# Altium PCB PCB1.PcbDoc (part 3 of 4)
Units mm, origin at the board's own origin, x right, y up, seen from the top; angles counter-clockwise.
Board outline 330.2 x 176.28 mm, 2 copper layers (Top Layer, Bottom Layer); 535 components, 753 nets, 2972 pads, 0 vias.
Unrouted connection lines stored in the file: 384.
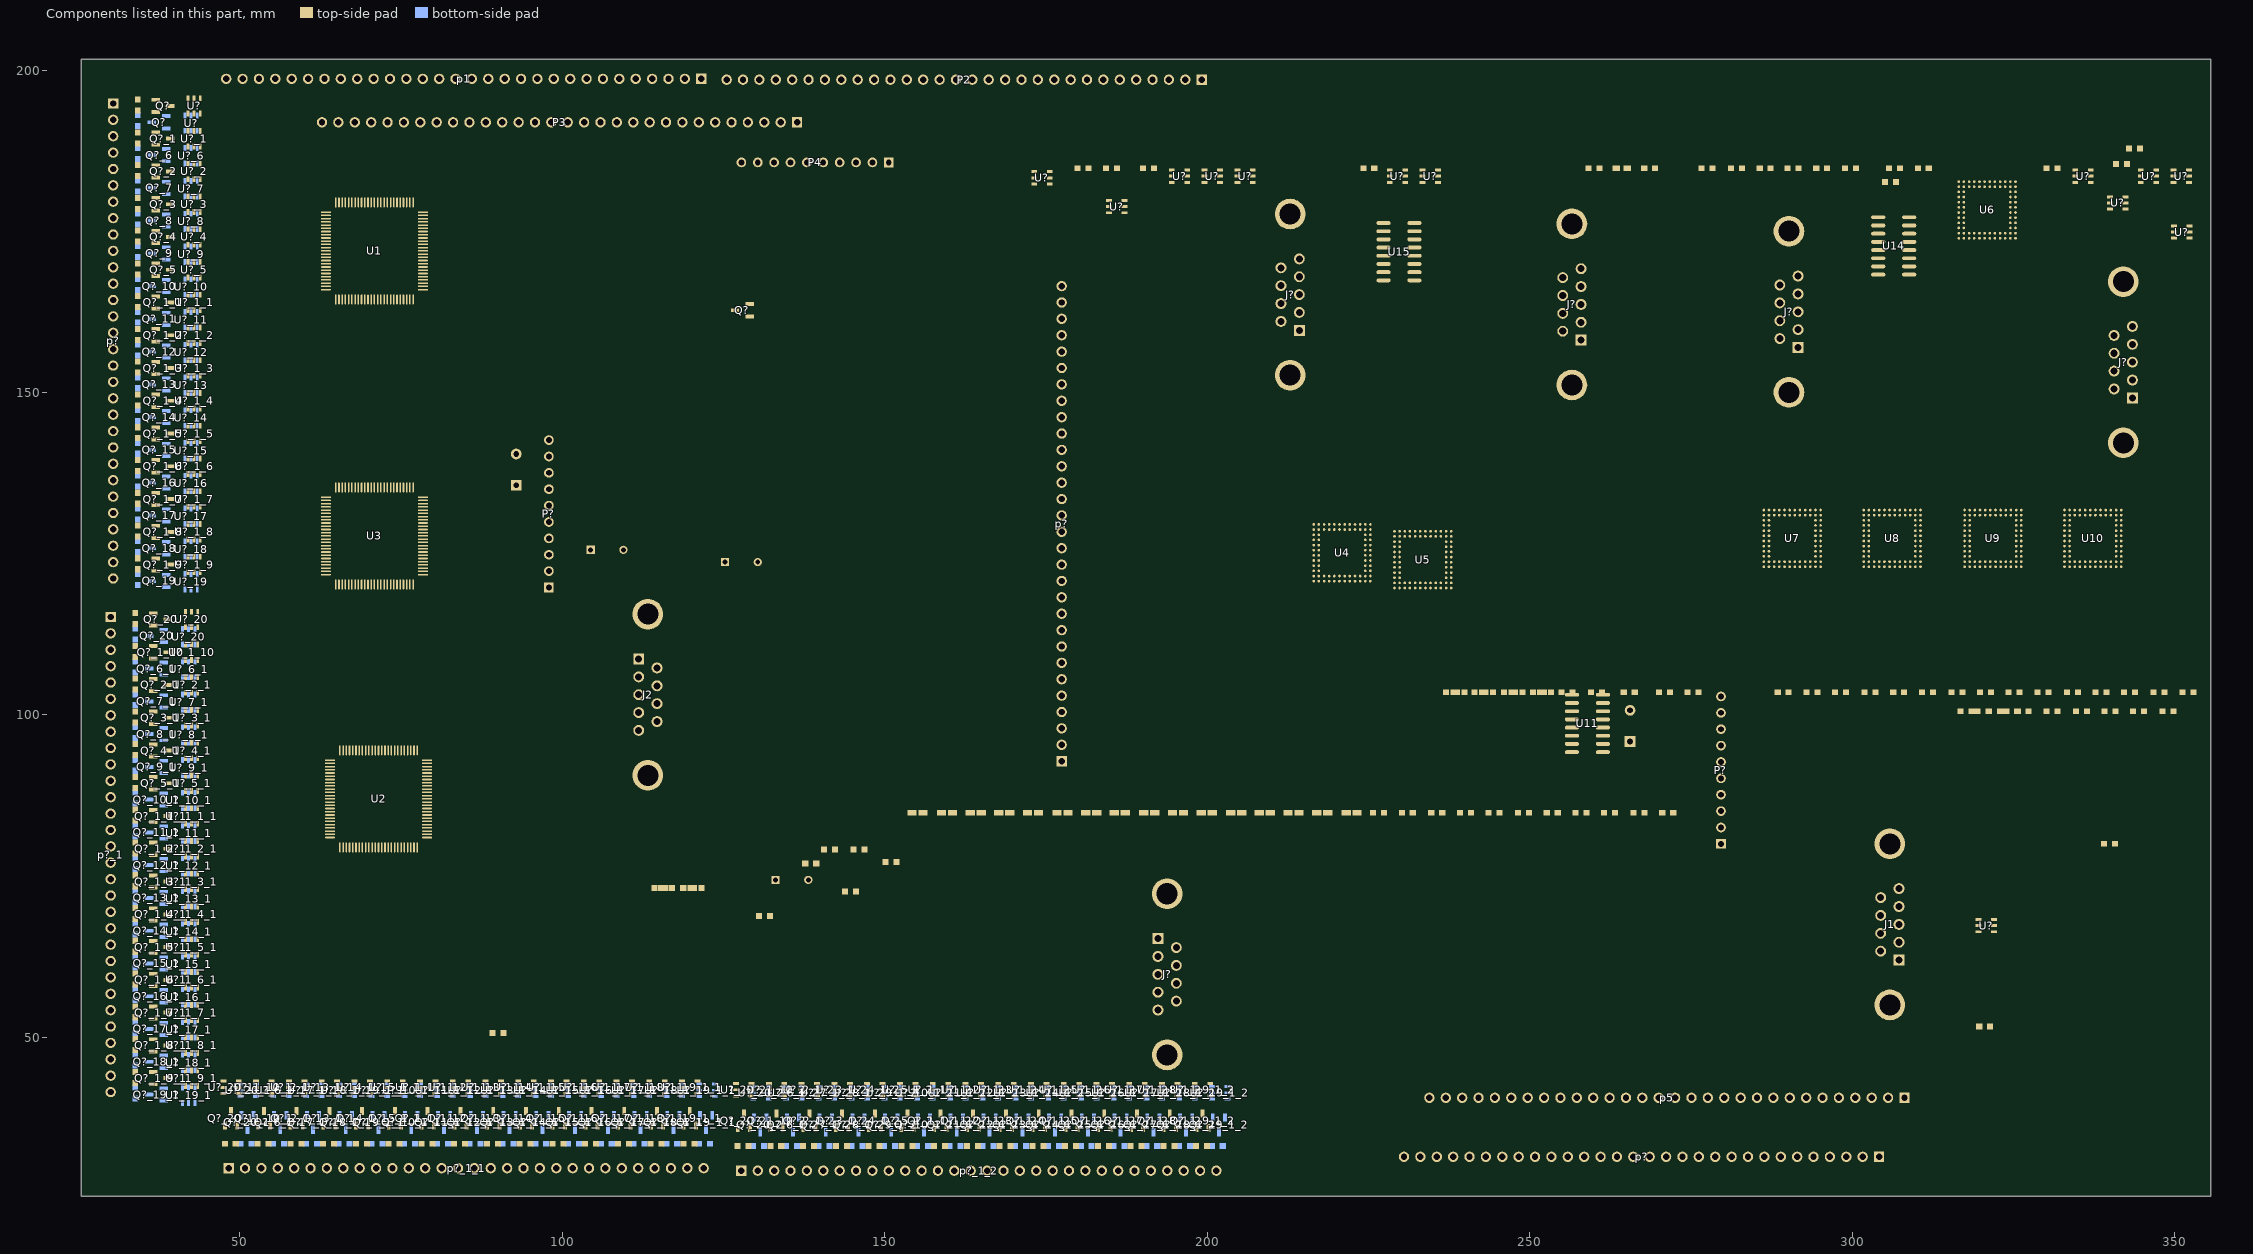
[diagram p3: the components of this part, seen from the top]

## Nets (pads, with @x,y where several pads share a name; then routed paths per layer and width w, separated by ;. In a path a pad name is that pad's centre, name@x,y a point inside that pad or via, vN(x,y) a via of type N, cw(c..) or ccw(c..) an arc to the next point about the centre after c; other vN are vias at no path point) (continued)
pads on no net: C?.1@130.505,68.834 C?.1@224.193,184.785 C?.1@242.608,103.505 C?.1@251.625,103.505 C?.1@294.424,184.785 C?.1@298.869,184.785 C?.1@305.092,182.626 C?.2@132.207,68.834 C?.2@167.932,84.836 C?.2@181.572,184.785 C?.2@225.895,184.785 C?.2@253.327,103.505 C?.2@260.82,184.785 C?.2@261.201,103.505 C?.2@296.126,184.785 C?.2@306.794,182.626 C?.2@342.608,185.42 J1.1 J1.4 J1.6 J1.7 J1.8 J1.9 J2.1 J2.4 J2.6 J2.7 J2.8 J2.9 J?.1@192.359,65.321 J?.1@214.272,159.638 J?.1@257.96,158.114 J?.1@291.615,156.971 J?.2@192.359,62.551 J?.2@257.96,160.884 J?.2@291.615,159.741 J?.3@192.359,59.781 J?.3@257.96,163.654 J?.3@291.615,162.511 J?.4@192.359,57.011 J?.4@214.272,167.948 J?.4@257.96,166.424 J?.4@291.615,165.281 J?.6@195.199,63.936 J?.6@211.432,161.023 J?.6@255.12,159.499 J?.6@288.775,158.356 J?.7@195.199,61.166 J?.7@211.432,163.793 J?.7@255.12,162.269 J?.7@288.775,161.126 J?.8@195.199,58.396 J?.8@211.432,166.563 J?.8@255.12,165.039 J?.8@288.775,163.896 J?.9 p?_1.1 p?_1.2 p?_1.3 p?_1.4 p?_1.5 p?_1.6 p?_1.7 p?_1.8 p?_1.9 p?_1.10 p?_1.11 p?_1.12 p?_1.13 p?_1.14 p?_1.15 p?_1.16 p?_1.17 p?_1.18 p?_1.19 p?_1.20 p?_1.21 p?_1.22 p?_1.23 p?_1.24 p?_1.25 p?_1.26 p?_1.27 p?_1.28 p?_1.29 p?_1.30 p?_1_1.1 p?_1_1.2 p?_1_1.3 p?_1_1.4 p?_1_1.5 p?_1_1.6 p?_1_1.7 p?_1_1.8 p?_1_1.9 p?_1_1.10 p?_1_1.11 p?_1_1.12 p?_1_1.13 p?_1_1.14 p?_1_1.15 p?_1_1.16 p?_1_1.17 p?_1_1.18 p?_1_1.19 p?_1_1.20 p?_1_1.21 p?_1_1.22 p?_1_1.23 p?_1_1.24 p?_1_1.25 p?_1_1.26 p?_1_1.27 p?_1_1.28 p?_1_1.29 p?_1_1.30 p?_1_2.1 p?_1_2.2 p?_1_2.3 p?_1_2.4 p?_1_2.5 p?_1_2.6 p?_1_2.7 p?_1_2.8 p?_1_2.9 p?_1_2.10 p?_1_2.11 p?_1_2.12 p?_1_2.13 p?_1_2.14 p?_1_2.15 p?_1_2.16 p?_1_2.17 p?_1_2.18 p?_1_2.19 p?_1_2.20 p?_1_2.21 p?_1_2.22 p?_1_2.23 p?_1_2.24 p?_1_2.25 p?_1_2.26 p?_1_2.27 p?_1_2.28 p?_1_2.29 p?_1_2.30 Q?.2 Q?_1.1 Q?_1.2 Q?_1_1.1 Q?_1_1.2 Q?_1_1_1.1 Q?_1_1_1.2 Q?_1_1_1.3 Q?_1_1_1_1.1 Q?_1_1_1_1.2 Q?_1_1_1_1.3 Q?_1_1_1_2.1 Q?_1_1_1_2.2 Q?_1_1_1_2.3 Q?_1_2.1 Q?_1_2.2 Q?_1_2_1.1 Q?_1_2_1.2 Q?_1_2_1.3 Q?_1_2_1_1.1 Q?_1_2_1_1.2 Q?_1_2_1_1.3 Q?_1_2_1_2.1 Q?_1_2_1_2.2 Q?_1_2_1_2.3 Q?_1_3.1 Q?_1_3.2 Q?_1_3_1.1 Q?_1_3_1.2 Q?_1_3_1.3 Q?_1_3_1_1.1 Q?_1_3_1_1.2 Q?_1_3_1_1.3 Q?_1_3_1_2.1 Q?_1_3_1_2.2 Q?_1_3_1_2.3 Q?_1_4.1 Q?_1_4.2 Q?_1_4_1.1 Q?_1_4_1.2 Q?_1_4_1.3 Q?_1_4_1_1.1 Q?_1_4_1_1.2 Q?_1_4_1_1.3 Q?_1_4_1_2.1 Q?_1_4_1_2.2 Q?_1_4_1_2.3 Q?_1_5.1 Q?_1_5.2 Q?_1_5_1.1 Q?_1_5_1.2 Q?_1_5_1.3 Q?_1_5_1_1.1 Q?_1_5_1_1.2 Q?_1_5_1_1.3 Q?_1_5_1_2.1 Q?_1_5_1_2.2 Q?_1_5_1_2.3 Q?_1_6.1 Q?_1_6.2 Q?_1_6_1.1 Q?_1_6_1.2 Q?_1_6_1.3 Q?_1_6_1_1.1 Q?_1_6_1_1.2 Q?_1_6_1_1.3 Q?_1_6_1_2.1 Q?_1_6_1_2.2 Q?_1_6_1_2.3 Q?_1_7.1 Q?_1_7.2 Q?_1_7_1.1 Q?_1_7_1.2 Q?_1_7_1.3 Q?_1_7_1_1.1 Q?_1_7_1_1.2 Q?_1_7_1_1.3 Q?_1_7_1_2.1 Q?_1_7_1_2.2 Q?_1_7_1_2.3 Q?_1_8.1 Q?_1_8.2 Q?_1_8_1.1 Q?_1_8_1.2 Q?_1_8_1.3 Q?_1_8_1_1.1 Q?_1_8_1_1.2 Q?_1_8_1_1.3 Q?_1_8_1_2.1 Q?_1_8_1_2.2 Q?_1_8_1_2.3 Q?_1_9.1 Q?_1_9.2 Q?_1_9_1.1 Q?_1_9_1.2 Q?_1_9_1.3 Q?_1_9_1_1.1 Q?_1_9_1_1.2 Q?_1_9_1_1.3 Q?_1_9_1_2.1 Q?_1_9_1_2.2 Q?_1_9_1_2.3 Q?_1_10.1 Q?_1_10.2 Q?_1_10.3 Q?_1_10_1.1 Q?_1_10_1.2 Q?_1_10_1.3 Q?_1_10_2.1 Q?_1_10_2.2 Q?_1_10_2.3 Q?_2.1 Q?_2.2 Q?_2_1.1 Q?_2_1.2 Q?_2_1.3 Q?_2_1_1.1 Q?_2_1_1.2 Q?_2_1_1.3 Q?_2_1_2.1 Q?_2_1_2.2 Q?_2_1_2.3 Q?_3.1 Q?_3.2 Q?_3_1.1 Q?_3_1.2 Q?_3_1.3 Q?_3_1_1.1 Q?_3_1_1.2 Q?_3_1_1.3 Q?_3_1_2.1 Q?_3_1_2.2 Q?_3_1_2.3 Q?_4.1 Q?_4.2 Q?_4_1.1 Q?_4_1.2 Q?_4_1.3 Q?_4_1_1.1 Q?_4_1_1.2 Q?_4_1_1.3 Q?_4_1_2.1 Q?_4_1_2.2 Q?_4_1_2.3 Q?_5.1 Q?_5.2 Q?_5_1.1 Q?_5_1.2 Q?_5_1.3 Q?_5_1_1.1 Q?_5_1_1.2 Q?_5_1_1.3 Q?_5_1_2.1 Q?_5_1_2.2 Q?_5_1_2.3 Q?_6.1 Q?_6.2 Q?_6_1.1 Q?_6_1.2 Q?_6_1.3 Q?_6_1_1.1 Q?_6_1_1.2 Q?_6_1_1.3 Q?_6_1_2.1 Q?_6_1_2.2 Q?_6_1_2.3 Q?_7.1 Q?_7.2 Q?_7_1.1 Q?_7_1.2 Q?_7_1.3 Q?_7_1_1.1 Q?_7_1_1.2 Q?_7_1_1.3 Q?_7_1_2.1 Q?_7_1_2.2 Q?_7_1_2.3 Q?_8.1 Q?_8.2 Q?_8_1.1 Q?_8_1.2 Q?_8_1.3 Q?_8_1_1.1 Q?_8_1_1.2 Q?_8_1_1.3 Q?_8_1_2.1 Q?_8_1_2.2 Q?_8_1_2.3 Q?_9.1 Q?_9.2 Q?_9_1.1 Q?_9_1.2 Q?_9_1.3 Q?_9_1_1.1 Q?_9_1_1.2 Q?_9_1_1.3 Q?_9_1_2.1 Q?_9_1_2.2 Q?_9_1_2.3 Q?_10.1 Q?_10.2 Q?_10_1.1 Q?_10_1.2 Q?_10_1.3 Q?_10_1_1.1 Q?_10_1_1.2 Q?_10_1_1.3 Q?_10_1_2.1 Q?_10_1_2.2 Q?_10_1_2.3 Q?_11.1 Q?_11.2 Q?_11_1.1 Q?_11_1.2 Q?_11_1.3 Q?_11_1_1.1 Q?_11_1_1.2 Q?_11_1_1.3 Q?_11_1_2.1 Q?_11_1_2.2 Q?_11_1_2.3 Q?_12.1 Q?_12.2 Q?_12_1.1 Q?_12_1.2 Q?_12_1.3 Q?_12_1_1.1 Q?_12_1_1.2 Q?_12_1_1.3 Q?_12_1_2.1 Q?_12_1_2.2 Q?_12_1_2.3 Q?_13.1 Q?_13.2 Q?_13_1.1 Q?_13_1.2 Q?_13_1.3 Q?_13_1_1.1 Q?_13_1_1.2 Q?_13_1_1.3 Q?_13_1_2.1 Q?_13_1_2.2 Q?_13_1_2.3 Q?_14.1 Q?_14.2 Q?_14_1.1 Q?_14_1.2 Q?_14_1.3 Q?_14_1_1.1 Q?_14_1_1.2 Q?_14_1_1.3 Q?_14_1_2.1 Q?_14_1_2.2 Q?_14_1_2.3 Q?_15.1 Q?_15.2 Q?_15_1.1 Q?_15_1.2 Q?_15_1.3 Q?_15_1_1.1 Q?_15_1_1.2 Q?_15_1_1.3 Q?_15_1_2.1 Q?_15_1_2.2 Q?_15_1_2.3 Q?_16.1 Q?_16.2 Q?_16_1.1 Q?_16_1.2 Q?_16_1.3 Q?_16_1_1.1 Q?_16_1_1.2 Q?_16_1_1.3 Q?_16_1_2.1 Q?_16_1_2.2 Q?_16_1_2.3 Q?_17.1 Q?_17.2 Q?_17_1.1 Q?_17_1.2 Q?_17_1.3 Q?_17_1_1.1 Q?_17_1_1.2 Q?_17_1_1.3 Q?_17_1_2.1 Q?_17_1_2.2 Q?_17_1_2.3 Q?_18.1 Q?_18.2 Q?_18_1.1 Q?_18_1.2 Q?_18_1.3 Q?_18_1_1.1 Q?_18_1_1.2 Q?_18_1_1.3 Q?_18_1_2.1 Q?_18_1_2.2 Q?_18_1_2.3 Q?_19.1 Q?_19.2 Q?_19_1.1 Q?_19_1.2 Q?_19_1.3 Q?_19_1_1.1 Q?_19_1_1.2 Q?_19_1_1.3 Q?_19_1_2.1 Q?_19_1_2.2 Q?_19_1_2.3 Q?_20.1 Q?_20.2 Q?_20.3 Q?_20_1.1 Q?_20_1.2 Q?_20_1.3 Q?_20_2.1 Q?_20_2.2 Q?_20_2.3 R?.1@89.154,50.673 R?.1@114.3,73.152 R?.1@115.316,73.152 R?.1@118.745,73.152 R?.1@119.888,73.152 R?.1@137.668,76.962 R?.1@140.589,79.121 R?.1@143.802,72.644 R?.1@145.161,79.121 R?.1@150.114,77.216 R?.1@155.664,84.836 R?.1@160.236,84.836 R?.1@160.744,84.836 R?.1@164.681,84.836 R?.1@165.189,84.836 R?.1@169.126,84.836 R?.1@173.571,84.836 R?.1@174.079,84.836 R?.1@178.143,84.836 R?.1@182.588,84.836 R?.1@183.096,84.836 R?.1@187.033,84.836 R?.1@191.605,84.836 R?.1@192.113,84.836 R?.1@196.05,84.836 R?.1@196.558,84.836 R?.1@200.495,84.836 R?.1@201.003,84.836 R?.1@205.067,84.836 R?.1@205.575,84.836 R?.1@209.512,84.836 R?.1@210.02,84.836 R?.1@213.957,84.836 R?.1@214.465,84.836 R?.1@218.91,84.836 R?.1@218.402,84.836 R?.1@222.974,84.836 R?.1@223.482,84.836 R?.1@227.419,84.836 R?.1@231.864,84.836 R?.1@236.436,84.836 R?.1@238.163,103.505 R?.1@240.881,84.836 R?.1@245.326,84.836 R?.1@247.18,103.505 R?.1@249.898,84.836 R?.1@254.343,84.836 R?.1@254.927,103.505 R?.1@258.788,84.836 R?.1@263.233,84.836 R?.1@264.579,103.505 R?.1@267.805,84.836 R?.1@272.25,84.836 R?.1@274.485,103.505 R?.1@288.455,103.505 R?.1@292.9,103.505 R?.1@297.345,103.505 R?.1@301.917,103.505 R?.1@306.362,103.505 R?.1@310.807,103.505 R?.1@315.379,103.505 R?.1@316.776,100.584 R?.1@319.824,103.505 R?.1@321.221,100.584 R?.1@323.888,100.584 R?.1@324.269,103.505 R?.1@325.666,100.584 R?.1@328.714,103.505 R?.1@330.111,100.584 R?.1@333.286,103.505 R?.1@334.683,100.584 R?.1@337.731,103.505 R?.1@339.039,80.01 R?.1@339.128,100.584 R?.1@342.176,103.505 R?.1@343.573,100.584 R?.1@346.748,103.505 R?.1@348.145,100.584 R?.1@351.193,103.505 R?.2@154.47,84.836 R?.2@176.949,84.836 R?.2@185.839,84.836 R?.2@186.017,184.785 R?.2@191.732,184.785 R?.2@238.722,103.505 R?.2@243.167,103.505 R?.2@247.739,103.505 R?.2@252.184,103.505 R?.2@252.641,84.836 R?.2@261.531,84.836 R?.2@265.265,184.785 R?.2@291.681,184.785 R?.2@307.429,184.785 R?.2@311.874,184.785 R?.2@331.813,184.785 R?.2@344.602,187.833 R?_1.1 R?_1_1.1 R?_1_1_1.1 R?_1_1_1.2 R?_1_1_1_1.1 R?_1_1_1_1.2 R?_1_1_1_2.1 R?_1_1_1_2.2 R?_1_2.1 R?_1_2_1.1 R?_1_2_1.2 R?_1_2_1_1.1 R?_1_2_1_1.2 R?_1_2_1_2.1 R?_1_2_1_2.2 R?_1_3.1 R?_1_3_1.1 R?_1_3_1.2 R?_1_3_1_1.1 R?_1_3_1_1.2 R?_1_3_1_2.1 R?_1_3_1_2.2 R?_1_4.1 R?_1_4_1.1 R?_1_4_1.2 R?_1_4_1_1.1 R?_1_4_1_1.2 R?_1_4_1_2.1 R?_1_4_1_2.2 R?_1_5.1 R?_1_5_1.1 R?_1_5_1.2 R?_1_5_1_1.1 R?_1_5_1_1.2 R?_1_5_1_2.1 R?_1_5_1_2.2 R?_1_6.1 R?_1_6_1.1 R?_1_6_1.2 R?_1_6_1_1.1 R?_1_6_1_1.2 R?_1_6_1_2.1 R?_1_6_1_2.2 R?_1_7.1 R?_1_7_1.1 R?_1_7_1.2 R?_1_7_1_1.1 R?_1_7_1_1.2 R?_1_7_1_2.1 R?_1_7_1_2.2 R?_1_8.1 R?_1_8_1.1 R?_1_8_1.2 R?_1_8_1_1.1 R?_1_8_1_1.2 R?_1_8_1_2.1 R?_1_8_1_2.2 R?_1_9.1 R?_1_9_1.1 R?_1_9_1.2 R?_1_9_1_1.1 R?_1_9_1_1.2 R?_1_9_1_2.1 R?_1_9_1_2.2 R?_1_10.1 R?_1_10.2 R?_1_10_1.1 R?_1_10_1.2 R?_1_10_2.1 R?_1_10_2.2 R?_2.1 R?_2_1.1 R?_2_1.2 R?_2_1_1.1 R?_2_1_1.2 R?_2_1_2.1 R?_2_1_2.2 R?_3.1 R?_3_1.1 R?_3_1.2 R?_3_1_1.1 R?_3_1_1.2 R?_3_1_2.1 R?_3_1_2.2 R?_4.1 R?_4_1.1 R?_4_1.2 R?_4_1_1.1 R?_4_1_1.2 R?_4_1_2.1 R?_4_1_2.2 R?_5.1 R?_5_1.1 R?_5_1.2 R?_5_1_1.1 R?_5_1_1.2 R?_5_1_2.1 R?_5_1_2.2 R?_6.1 R?_6_1.1 R?_6_1.2 R?_6_1_1.1 R?_6_1_1.2 R?_6_1_2.1 R?_6_1_2.2 R?_7.1 R?_7_1.1 R?_7_1.2 R?_7_1_1.1 R?_7_1_1.2 R?_7_1_2.1 R?_7_1_2.2 R?_8.1 R?_8_1.1 R?_8_1.2 R?_8_1_1.1 R?_8_1_1.2 R?_8_1_2.1 R?_8_1_2.2 R?_9.1 R?_9_1.1 R?_9_1.2 R?_9_1_1.1 R?_9_1_1.2 R?_9_1_2.1 R?_9_1_2.2 R?_10.1 R?_10_1.1 R?_10_1.2 R?_10_1_1.1 R?_10_1_1.2 R?_10_1_2.1 R?_10_1_2.2 R?_11.1 R?_11_1.1 R?_11_1.2 R?_11_1_1.1 R?_11_1_1.2 R?_11_1_2.1 R?_11_1_2.2 R?_12.1 R?_12_1.1 R?_12_1.2 R?_12_1_1.1 R?_12_1_1.2 R?_12_1_2.1 R?_12_1_2.2 R?_13.1 R?_13_1.1 R?_13_1.2 R?_13_1_1.1 R?_13_1_1.2 R?_13_1_2.1 R?_13_1_2.2 R?_14.1 R?_14_1.1 R?_14_1.2 R?_14_1_1.1 R?_14_1_1.2 R?_14_1_2.1 R?_14_1_2.2 R?_15.1 R?_15_1.1 R?_15_1.2 R?_15_1_1.1 R?_15_1_1.2 R?_15_1_2.1 R?_15_1_2.2 R?_16.1 R?_16_1.1 R?_16_1.2 R?_16_1_1.1 R?_16_1_1.2 R?_16_1_2.1 R?_16_1_2.2 R?_17.1 R?_17_1.1 R?_17_1.2 R?_17_1_1.1 R?_17_1_1.2 R?_17_1_2.1 R?_17_1_2.2 R?_18.1 R?_18_1.1 R?_18_1.2 R?_18_1_1.1 R?_18_1_1.2 R?_18_1_2.1 R?_18_1_2.2 R?_19.1 R?_19_1.1 R?_19_1.2 R?_19_1_1.1 R?_19_1_1.2 R?_19_1_2.1 R?_19_1_2.2 R?_20.1 R?_20.2 R?_20_1.1 R?_20_1.2 R?_20_2.1 R?_20_2.2 S?.2@138.138,74.422 U1.6 U1.20 U1.21 U1.24 U1.25 U1.26 U1.33 U1.34 U1.35 U1.36 U1.37 U1.38 U1.39 U1.40 U1.41 U1.42 U1.43 U1.44 U1.45 U1.46 U1.47 U1.48 U1.51 U1.52 U1.53 U1.55 U1.56 U1.57 U1.58 U1.59 U1.60 U1.61 U1.62 U1.63 U1.64 U1.65 U1.66 U1.67 U1.68 U1.69 U1.70 U1.71 U1.73 U2.6 U2.12 U2.13 U2.14 U2.20 U2.21 U2.24 U2.25 U2.26 U2.33 U2.34 U2.35 U2.36 U2.37 U2.38 U2.39 U2.40 U2.41 U2.42 U2.43 U2.44 U2.45 U2.46 U2.47 U2.48 U2.51 U2.52 U2.53 U2.54 U2.55 U2.56 U2.57 U2.58 U2.59 U2.60 U2.61 U2.62 U2.63 U2.64 U2.65 U2.66 U2.67 U2.68 U2.69 U2.70 U2.71 U2.73 U2.94 U3.6 U3.12 U3.13 U3.14 U3.18 U3.20 U3.21 U3.23 U3.24 U3.25 U3.26 U3.33 U3.34 U3.35 U3.36 U3.37 U3.38 U3.39 U3.40 U3.41 U3.42 U3.43 U3.44 U3.45 U3.46 U3.47 U3.48 U3.51 U3.52 U3.53 U3.54 U3.55 U3.56 U3.57 U3.58 U3.59 U3.60 U3.61 U3.62 U3.63 U3.64 U3.65 U3.66 U3.67 U3.68 U3.69 U3.70 U3.71 U3.73 U3.94 U4.A4 U4.A5 U4.A8 U4.B1 U4.B6 U4.B7 U4.B8 U4.C1 U4.C12 U4.D1 U4.D12 U4.E1 U4.E12 U4.F1 U4.F2 U4.F12 U4.G1 U4.G11 U4.G12 U4.H1 U4.H2 U4.H12 U4.J1 U4.J11 U4.J12 U4.K1 U4.K12 U4.L1 U4.L6 U4.L8 U4.L9 U4.L12 U4.M1 U4.M2 U4.M3 U4.M7 U4.M8 U4.M9 U4.M10 U4.M11 U4.M12 U5.A4 U5.A5 U5.A8 U5.B1 U5.B6 U5.B7 U5.B8 U5.C1 U5.C12 U5.D1 U5.D12 U5.E1 U5.E12 U5.F1 U5.F2 U5.F12 U5.G1 U5.G11 U5.G12 U5.H1 U5.H2 U5.H12 U5.J1 U5.J11 U5.J12 U5.K1 U5.K12 U5.L1 U5.L6 U5.L8 U5.L9 U5.L12 U5.M1 U5.M2 U5.M3 U5.M7 U5.M8 U5.M9 U5.M10 U5.M11 U5.M12 U6.A4 U6.A5 U6.A8 U6.B1 U6.B6 U6.B7 U6.B8 U6.C1 U6.C12 U6.D1 U6.D12 U6.E1 U6.E12 U6.F1 U6.F2 U6.F12 U6.G1 U6.G11 U6.G12 U6.H1 U6.H2 U6.H12 U6.J1 U6.J11 U6.J12 U6.K1 U6.K12 U6.L1 U6.L6 U6.L8 U6.L9 U6.L12 U6.M1 U6.M2 U6.M3 U6.M7 U6.M8 U6.M9 U6.M10 U6.M11 U6.M12 U7.A4 U7.A5 U7.A8 U7.B1 U7.B6 U7.B7 U7.B8 U7.C1 U7.C12 U7.D1 U7.D12 U7.E1 U7.E12 U7.F1 U7.F2 U7.F12 U7.G1 U7.G11 U7.G12 U7.H1 U7.H2 U7.H12 U7.J1 U7.J11 U7.J12 U7.K1 U7.K12 U7.L1 U7.L6 U7.L8 U7.L9 U7.L12 U7.M1 U7.M2 U7.M3 U7.M7 U7.M8 U7.M9 U7.M10 U7.M11 U7.M12 U8.A4 U8.A5 U8.A8 U8.B1 U8.B6 U8.B7 U8.B8 U8.C1 U8.C12 U8.D1 U8.D12 U8.E1 U8.E12 U8.F1 U8.F2 U8.F12 U8.G1 U8.G11 U8.G12 U8.H1 U8.H2 U8.H12 U8.J1 U8.J11 U8.J12 U8.K1 U8.K12 U8.L1 U8.L6 U8.L8 U8.L9 U8.L12 U8.M1 U8.M2 U8.M3 U8.M7 U8.M8 U8.M9 U8.M10 U8.M11 U8.M12 U9.A4 U9.A5 U9.A8 U9.B1 U9.B6 U9.B7 U9.B8 U9.C1 U9.C12 U9.D1 U9.D12 U9.E1 U9.E12 U9.F1 U9.F2 U9.F12 U9.G1 U9.G11 U9.G12 U9.H1 U9.H2 U9.H12 U9.J1 U9.J11 U9.J12 U9.K1 U9.K12 U9.L1 U9.L6 U9.L8 U9.L9 U9.L12 U9.M1 U9.M2 U9.M3 U9.M7 U9.M8 U9.M9 U9.M10 U9.M11 U9.M12 U10.A2 U10.A3 U10.A4 U10.A5 U10.A8 U10.A10 U10.A11 U10.A12 U10.B1 U10.B2 U10.B3 U10.B6 U10.B7 U10.B8 U10.B10 U10.B11 U10.B12 U10.C1 U10.C11 U10.C12 U10.D1 U10.D2 U10.D11 U10.D12 U10.E1 U10.E2 U10.E11 U10.E12 U10.F1 U10.F2 U10.F11 U10.F12 U10.G1 U10.G2 U10.G11 U10.G12 U10.H1 U10.H2 U10.H11 U10.H12 U10.J1 U10.J2 U10.J11 U10.J12 U10.K1 U10.K2 U10.K11 U10.K12 U10.L1 U10.L2 U10.L6 U10.L8 U10.L9 U10.L10 U10.L11 U10.L12 U10.M1 U10.M2 U10.M3 U10.M7 U10.M8 U10.M9 U10.M10 U10.M11 U10.M12 U11.1 U11.2 U11.3 U11.4 U11.5 U11.6 U11.9 U11.12 U14.1 U14.2 U14.3 U14.4 U14.5 U14.6 U14.7 U14.8 U14.9 U14.12 U14.13 U14.14 U15.1 U15.2 U15.3 U15.4 U15.6 U15.9 U15.12 U15.13 U15.14 U?.1@41.951,193.237 U?.1@43.393,190.57 U?.1@194.507,184.49 U?.1@199.587,184.49 U?.1@204.667,184.49 U?.1@228.289,184.49 U?.1@233.369,184.49 U?.1@319.602,68.285 U?.1@339.979,180.34 U?.3@204.667,182.59 U?.5 U?_1.1 U?_1.2 U?_1.3 U?_1.5 U?_1.6 U?_1_1.1 U?_1_1.2 U?_1_1.3 U?_1_1.5 U?_1_1.6 U?_1_1_1.1 U?_1_1_1.2 U?_1_1_1.3 U?_1_1_1.4 U?_1_1_1.5 U?_1_1_1.6 U?_1_1_1_1.1 U?_1_1_1_1.2 U?_1_1_1_1.3 U?_1_1_1_1.4 U?_1_1_1_1.5 U?_1_1_1_1.6 U?_1_1_1_2.1 U?_1_1_1_2.2 U?_1_1_1_2.3 U?_1_1_1_2.4 U?_1_1_1_2.5 U?_1_1_1_2.6 U?_1_2.1 U?_1_2.2 U?_1_2.3 U?_1_2.5 U?_1_2.6 U?_1_2_1.1 U?_1_2_1.2 U?_1_2_1.3 U?_1_2_1.4 U?_1_2_1.5 U?_1_2_1.6 U?_1_2_1_1.1 U?_1_2_1_1.2 U?_1_2_1_1.3 U?_1_2_1_1.4 U?_1_2_1_1.5 U?_1_2_1_1.6 U?_1_2_1_2.1 U?_1_2_1_2.2 U?_1_2_1_2.3 U?_1_2_1_2.4 U?_1_2_1_2.5 U?_1_2_1_2.6 U?_1_3.1 U?_1_3.2 U?_1_3.3 U?_1_3.5 U?_1_3.6 U?_1_3_1.1 U?_1_3_1.2 U?_1_3_1.3 U?_1_3_1.4 U?_1_3_1.5 U?_1_3_1.6 U?_1_3_1_1.1 U?_1_3_1_1.2 U?_1_3_1_1.3 U?_1_3_1_1.4 U?_1_3_1_1.5 U?_1_3_1_1.6 U?_1_3_1_2.1 U?_1_3_1_2.2 U?_1_3_1_2.3 U?_1_3_1_2.4 U?_1_3_1_2.5 U?_1_3_1_2.6 U?_1_4.1 U?_1_4.2 U?_1_4.3 U?_1_4.5 U?_1_4.6 U?_1_4_1.1 U?_1_4_1.2 U?_1_4_1.3 U?_1_4_1.4 U?_1_4_1.5 U?_1_4_1.6 U?_1_4_1_1.1 U?_1_4_1_1.2 U?_1_4_1_1.3 U?_1_4_1_1.4 U?_1_4_1_1.5 U?_1_4_1_1.6 U?_1_4_1_2.1 U?_1_4_1_2.2 U?_1_4_1_2.3 U?_1_4_1_2.4 U?_1_4_1_2.5 U?_1_4_1_2.6 U?_1_5.1 U?_1_5.2 U?_1_5.3 U?_1_5.5 U?_1_5.6 U?_1_5_1.1 U?_1_5_1.2 U?_1_5_1.3 U?_1_5_1.4 U?_1_5_1.5 U?_1_5_1.6 U?_1_5_1_1.1 U?_1_5_1_1.2 U?_1_5_1_1.3 U?_1_5_1_1.4 U?_1_5_1_1.5 U?_1_5_1_1.6 U?_1_5_1_2.1 U?_1_5_1_2.2 U?_1_5_1_2.3 U?_1_5_1_2.4 U?_1_5_1_2.5 U?_1_5_1_2.6 U?_1_6.1 U?_1_6.2 U?_1_6.3 U?_1_6.5 U?_1_6.6 U?_1_6_1.1 U?_1_6_1.2 U?_1_6_1.3 U?_1_6_1.4 U?_1_6_1.5 U?_1_6_1.6 U?_1_6_1_1.1 U?_1_6_1_1.2 U?_1_6_1_1.3 U?_1_6_1_1.4 U?_1_6_1_1.5 U?_1_6_1_1.6 U?_1_6_1_2.1 U?_1_6_1_2.2 U?_1_6_1_2.3 U?_1_6_1_2.4 U?_1_6_1_2.5 U?_1_6_1_2.6 U?_1_7.1 U?_1_7.2 U?_1_7.3 U?_1_7.5 U?_1_7.6 U?_1_7_1.1 U?_1_7_1.2 U?_1_7_1.3 U?_1_7_1.4 U?_1_7_1.5 U?_1_7_1.6 U?_1_7_1_1.1 U?_1_7_1_1.2 U?_1_7_1_1.3 U?_1_7_1_1.4 U?_1_7_1_1.5 U?_1_7_1_1.6 U?_1_7_1_2.1 U?_1_7_1_2.2 U?_1_7_1_2.3 U?_1_7_1_2.4 U?_1_7_1_2.5 U?_1_7_1_2.6 U?_1_8.1 U?_1_8.2 U?_1_8.3 U?_1_8.5 U?_1_8.6 U?_1_8_1.1 U?_1_8_1.2 U?_1_8_1.3 U?_1_8_1.4 U?_1_8_1.5 U?_1_8_1.6 U?_1_8_1_1.1 U?_1_8_1_1.2 U?_1_8_1_1.3 U?_1_8_1_1.4 U?_1_8_1_1.5 U?_1_8_1_1.6 U?_1_8_1_2.1 U?_1_8_1_2.2 U?_1_8_1_2.3 U?_1_8_1_2.4 U?_1_8_1_2.5 U?_1_8_1_2.6 U?_1_9.1 U?_1_9.2 U?_1_9.3 U?_1_9.5 U?_1_9.6 U?_1_9_1.1 U?_1_9_1.2 U?_1_9_1.3 U?_1_9_1.4 U?_1_9_1.5 U?_1_9_1.6 U?_1_9_1_1.1 U?_1_9_1_1.2 U?_1_9_1_1.3 U?_1_9_1_1.4 U?_1_9_1_1.5 U?_1_9_1_1.6 U?_1_9_1_2.1 U?_1_9_1_2.2 U?_1_9_1_2.3 U?_1_9_1_2.4 U?_1_9_1_2.5 U?_1_9_1_2.6 U?_1_10.1 U?_1_10.2 U?_1_10.3 U?_1_10.4 U?_1_10.5 U?_1_10.6 U?_1_10_1.1 U?_1_10_1.2 U?_1_10_1.3 U?_1_10_1.4 U?_1_10_1.5 U?_1_10_1.6 U?_1_10_2.1 U?_1_10_2.2 U?_1_10_2.3 U?_1_10_2.4 U?_1_10_2.5 U?_1_10_2.6 U?_2.1 U?_2.2 U?_2.3 U?_2.5 U?_2.6 U?_2_1.1 U?_2_1.2 U?_2_1.3 U?_2_1.4 U?_2_1.5 U?_2_1.6 U?_2_1_1.1 U?_2_1_1.2 U?_2_1_1.3 U?_2_1_1.4 U?_2_1_1.5 U?_2_1_1.6 U?_2_1_2.1 U?_2_1_2.2 U?_2_1_2.3 U?_2_1_2.4 U?_2_1_2.5 U?_2_1_2.6 U?_3.1 U?_3.2 U?_3.3 U?_3.5 U?_3.6 U?_3_1.1 U?_3_1.2 U?_3_1.3 U?_3_1.4 U?_3_1.5 U?_3_1.6 U?_3_1_1.1 U?_3_1_1.2 U?_3_1_1.3 U?_3_1_1.4 U?_3_1_1.5 U?_3_1_1.6 U?_3_1_2.1 U?_3_1_2.2 U?_3_1_2.3 U?_3_1_2.4 U?_3_1_2.5 U?_3_1_2.6 U?_4.1 U?_4.2 U?_4.3 U?_4.5 U?_4.6 U?_4_1.1 U?_4_1.2 U?_4_1.3 U?_4_1.4 U?_4_1.5 U?_4_1.6 U?_4_1_1.1 U?_4_1_1.2 U?_4_1_1.3 U?_4_1_1.4 U?_4_1_1.5 U?_4_1_1.6 U?_4_1_2.1 U?_4_1_2.2 U?_4_1_2.3 U?_4_1_2.4 U?_4_1_2.5 U?_4_1_2.6 U?_5.1 U?_5.2 U?_5.3 U?_5.5 U?_5.6 U?_5_1.1 U?_5_1.2 U?_5_1.3 U?_5_1.4 U?_5_1.5 U?_5_1.6 U?_5_1_1.1 U?_5_1_1.2 U?_5_1_1.3 U?_5_1_1.4 U?_5_1_1.5 U?_5_1_1.6 U?_5_1_2.1 U?_5_1_2.2 U?_5_1_2.3 U?_5_1_2.4 U?_5_1_2.5 U?_5_1_2.6 U?_6.1 U?_6.2 U?_6.3 U?_6.5 U?_6.6 U?_6_1.1 U?_6_1.2 U?_6_1.3 U?_6_1.4 U?_6_1.5 U?_6_1.6 U?_6_1_1.1 U?_6_1_1.2 U?_6_1_1.3 U?_6_1_1.4 U?_6_1_1.5 U?_6_1_1.6 U?_6_1_2.1 U?_6_1_2.2 U?_6_1_2.3 U?_6_1_2.4 U?_6_1_2.5 U?_6_1_2.6 U?_7.1 U?_7.2 U?_7.3 U?_7.5 U?_7.6 U?_7_1.1 U?_7_1.2 U?_7_1.3 U?_7_1.4 U?_7_1.5 U?_7_1.6 U?_7_1_1.1 U?_7_1_1.2 U?_7_1_1.3 U?_7_1_1.4 U?_7_1_1.5 U?_7_1_1.6 U?_7_1_2.1 U?_7_1_2.2 U?_7_1_2.3 U?_7_1_2.4 U?_7_1_2.5 U?_7_1_2.6 U?_8.1 U?_8.2 U?_8.3 U?_8.5 U?_8.6 U?_8_1.1 U?_8_1.2 U?_8_1.3 U?_8_1.4 U?_8_1.5 U?_8_1.6 U?_8_1_1.1 U?_8_1_1.2 U?_8_1_1.3 U?_8_1_1.4 U?_8_1_1.5 U?_8_1_1.6 U?_8_1_2.1 U?_8_1_2.2 U?_8_1_2.3 U?_8_1_2.4 U?_8_1_2.5 U?_8_1_2.6 U?_9.1 U?_9.2 U?_9.3 U?_9.5 U?_9.6 U?_9_1.1 U?_9_1.2 U?_9_1.3 U?_9_1.4 U?_9_1.5 U?_9_1.6 U?_9_1_1.1 U?_9_1_1.2 U?_9_1_1.3 U?_9_1_1.4 U?_9_1_1.5 U?_9_1_1.6 U?_9_1_2.1 U?_9_1_2.2 U?_9_1_2.3 U?_9_1_2.4 U?_9_1_2.5 U?_9_1_2.6 U?_10.1 U?_10.2 U?_10.3 U?_10.5 U?_10.6 U?_10_1.1 U?_10_1.2 U?_10_1.3 U?_10_1.4 U?_10_1.5 U?_10_1.6 U?_10_1_1.1 U?_10_1_1.2 U?_10_1_1.3 U?_10_1_1.4 U?_10_1_1.5 U?_10_1_1.6 U?_10_1_2.1 U?_10_1_2.2 U?_10_1_2.3 U?_10_1_2.4 U?_10_1_2.5 U?_10_1_2.6 U?_11.1 U?_11.2 U?_11.3 U?_11.5 U?_11.6 U?_11_1.1 U?_11_1.2 U?_11_1.3 U?_11_1.4 U?_11_1.5 U?_11_1.6 U?_11_1_1.1 U?_11_1_1.2 U?_11_1_1.3 U?_11_1_1.4 U?_11_1_1.5 U?_11_1_1.6 U?_11_1_2.1 U?_11_1_2.2 U?_11_1_2.3 U?_11_1_2.4 U?_11_1_2.5 U?_11_1_2.6 U?_12.1 U?_12.2 U?_12.3 U?_12.5 U?_12.6 U?_12_1.1 U?_12_1.2 U?_12_1.3 U?_12_1.4 U?_12_1.5 U?_12_1.6 U?_12_1_1.1 U?_12_1_1.2 U?_12_1_1.3 U?_12_1_1.4 U?_12_1_1.5 U?_12_1_1.6 U?_12_1_2.1 U?_12_1_2.2 U?_12_1_2.3 U?_12_1_2.4 U?_12_1_2.5 U?_12_1_2.6 U?_13.1 U?_13.2 U?_13.3 U?_13.5 U?_13.6 U?_13_1.1 U?_13_1.2 U?_13_1.3 U?_13_1.4 U?_13_1.5 U?_13_1.6 U?_13_1_1.1 U?_13_1_1.2 U?_13_1_1.3 U?_13_1_1.4 U?_13_1_1.5 U?_13_1_1.6 U?_13_1_2.1 U?_13_1_2.2 U?_13_1_2.3 U?_13_1_2.4 U?_13_1_2.5 U?_13_1_2.6 U?_14.1 U?_14.2 U?_14.3 U?_14.5 U?_14.6 U?_14_1.1 U?_14_1.2 U?_14_1.3 U?_14_1.4 U?_14_1.5 U?_14_1.6 U?_14_1_1.1 U?_14_1_1.2 U?_14_1_1.3 U?_14_1_1.4 U?_14_1_1.5 U?_14_1_1.6 U?_14_1_2.1 U?_14_1_2.2 U?_14_1_2.3 U?_14_1_2.4 U?_14_1_2.5 U?_14_1_2.6 U?_15.1 U?_15.2 U?_15.3 U?_15.5 U?_15.6 U?_15_1.1 U?_15_1.2 U?_15_1.3 U?_15_1.4 U?_15_1.5 U?_15_1.6 U?_15_1_1.1 U?_15_1_1.2 U?_15_1_1.3 U?_15_1_1.4 U?_15_1_1.5 U?_15_1_1.6 U?_15_1_2.1 U?_15_1_2.2 U?_15_1_2.3 U?_15_1_2.4 U?_15_1_2.5 U?_15_1_2.6 U?_16.1 U?_16.2 U?_16.3 U?_16.5 U?_16.6 U?_16_1.1 U?_16_1.2 U?_16_1.3 U?_16_1.4 U?_16_1.5 U?_16_1.6 U?_16_1_1.1 U?_16_1_1.2 U?_16_1_1.3 U?_16_1_1.4 U?_16_1_1.5 U?_16_1_1.6 U?_16_1_2.1 U?_16_1_2.2 U?_16_1_2.3 U?_16_1_2.4 U?_16_1_2.5 U?_16_1_2.6 U?_17.1 U?_17.2 U?_17.3 U?_17.5 U?_17.6 U?_17_1.1 U?_17_1.2 U?_17_1.3 U?_17_1.4 U?_17_1.5 U?_17_1.6 U?_17_1_1.1 U?_17_1_1.2 U?_17_1_1.3 U?_17_1_1.4 U?_17_1_1.5 U?_17_1_1.6 U?_17_1_2.1 U?_17_1_2.2 U?_17_1_2.3 U?_17_1_2.4 U?_17_1_2.5 U?_17_1_2.6 U?_18.1 U?_18.2 U?_18.3 U?_18.5 U?_18.6 U?_18_1.1 U?_18_1.2 U?_18_1.3 U?_18_1.4 U?_18_1.5 U?_18_1.6 U?_18_1_1.1 U?_18_1_1.2 U?_18_1_1.3 U?_18_1_1.4 U?_18_1_1.5 U?_18_1_1.6 U?_18_1_2.1 U?_18_1_2.2 U?_18_1_2.3 U?_18_1_2.4 U?_18_1_2.5 U?_18_1_2.6 U?_19.1 U?_19.2 U?_19.3 U?_19.5 U?_19.6 U?_19_1.1 U?_19_1.2 U?_19_1.3 U?_19_1.4 U?_19_1.5 U?_19_1.6 U?_19_1_1.1 U?_19_1_1.2 U?_19_1_1.3 U?_19_1_1.4 U?_19_1_1.5 U?_19_1_1.6 U?_19_1_2.1 U?_19_1_2.2 U?_19_1_2.3 U?_19_1_2.4 U?_19_1_2.5 U?_19_1_2.6 U?_20.1 U?_20.2 U?_20.3 U?_20.4 U?_20.5 U?_20.6 U?_20_1.1 U?_20_1.2 U?_20_1.3 U?_20_1.4 U?_20_1.5 U?_20_1.6 U?_20_2.1 U?_20_2.2 U?_20_2.3 U?_20_2.4 U?_20_2.5 U?_20_2.6 Y?.1@92.837,135.636 Y?.2@92.837,140.462